# KiCad board panel.kicad_pcb (continued)
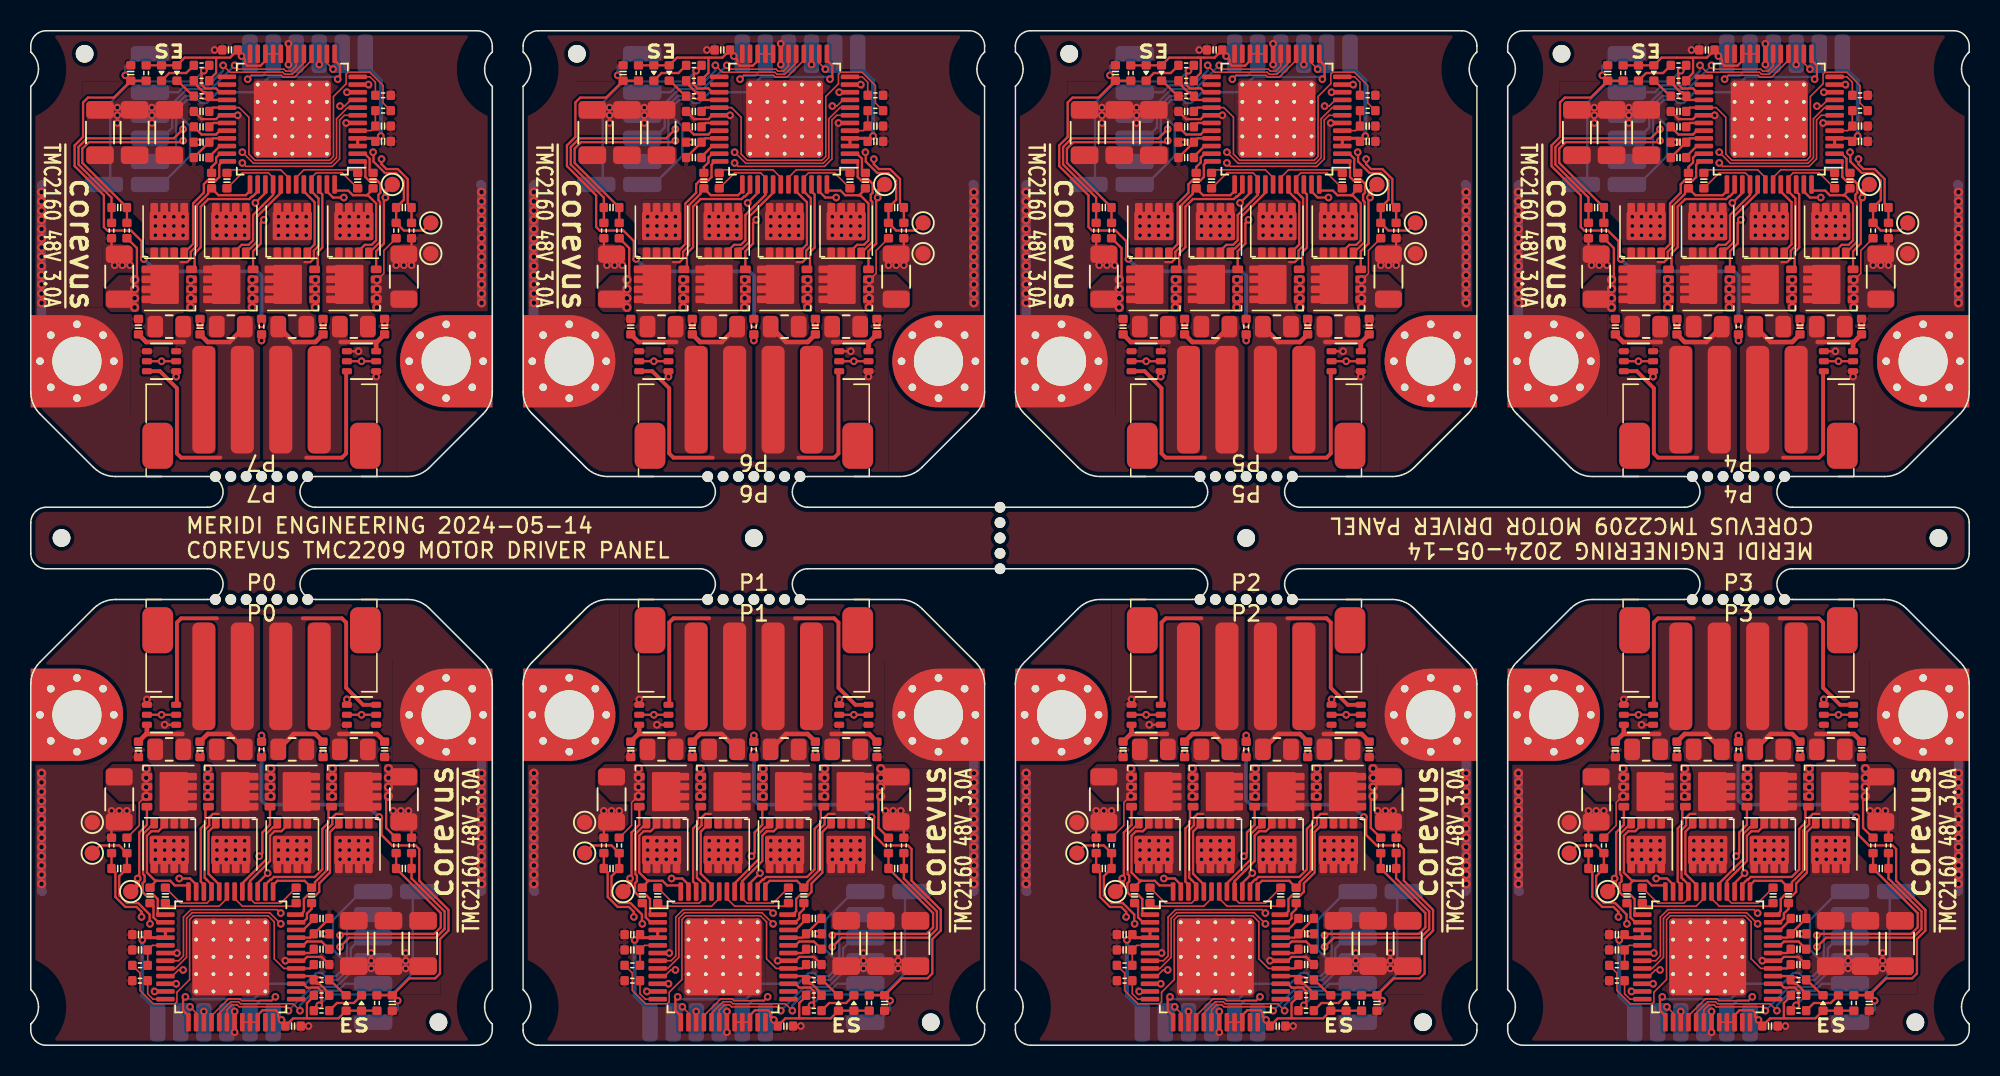
[diagram p0: board, top side]
## Routing (per net, layer and track width the routed paths; a pad name or vN(x,y) marks a point on that pad's centre or on a via; arc(x,y) is an arc through that point) (continued)
Board_4-Net-(U1-CB2): length 4.7
  Top w0.1: C9#6.1 117.05,56.95 113.75,56.95 113.25,56.45 U1#5.43
Board_4-Net-(U1-CPI): length 2.5
  Top w0.15: U1#5.32 108.29,59.5 108.04,59.25 107.1,59.25 C2#2.2
Board_4-Net-(U1-CPO): length 1.3
  Top w0.15: C2#2.1 107.85,60 U1#5.31
Board_4-Net-(U1-VCC): length 21.4
  Top w0.1: U1#5.29 109.55,61 110.18,60.38 110.18,57.97 110.57,57.58 115.43,57.58 115.68,57.82 115.68,61.73 116.5,62.55 116.5,63.17 116.63,63.3 118.03,63.3 118.9,62.43 118.9,61.3 R4#7.2
  Top w0.15: U1#5.29 107.85,61 C5#7.2
Board_4-Net-(U1-VCP): length 1.5
  Top w0.15: U1#5.34 108.29,58.5 107.6,57.81 C1#5.1
Board_4-VCC: length 12.7
  Top w0.1: U1#5.20 U1#5.21 U1#5.22
  Top w0.15: R20#6.2 D2.2 D1#6.2 106,64.25 108.95,64.25 C3#2.2 109.45,64.6 v1(109.7,64.35) 109.93,64.12 109.93,63.87 110.07,63.72 110.93,63.73 111.25,64.04 U1#5.22 ; 108.05,64.25 108.05,63.26 107.6,62.81 R2#5.1
  Bottom w0.15: v1(109.7,64.35) 110.1,64.35 T8#6.1
Board_5-+12V: length 8
  Top w0.2: U1#7.3 U1#7.4 86.2,59 C6#7.1 v1(86.75,59.15)
  Bottom w0.25: T3.1 85.75,63.75 86.75,62.75 v1(86.75,59.15)
Board_5-+48V: length 6.5
  Top w0.15: D3#6.2 v1(85.5,44.5) D3#6.5 ; U1#7.33 75.85,59 C7#3.1 C1#6.2 ; D4#5.2 v1(72.5,44.5) D4#5.5
  vias: v1(72.1,53.9) v1(72.1,53.3) v1(72.1,52.7) v1(72.7,53.9) v1(72.7,53.3) v1(72.7,52.7) v1(73.3,53.9) v1(73.3,53.3) v1(73.3,52.7) v1(73.9,53.9) v1(73.9,53.3) v1(73.9,52.7) v1(76.1,53.9) v1(76.1,53.3) v1(76.1,52.7) v1(76.7,53.9) v1(76.7,53.3) v1(76.7,52.7) v1(77.3,53.9) v1(77.3,53.3) v1(77.3,52.7) v1(77.9,53.9) v1(77.9,53.3) v1(77.9,52.7) v1(80.1,53.9) v1(80.1,53.3) v1(80.1,52.7) v1(80.7,53.9) v1(80.7,53.3) v1(80.7,52.7) v1(81.3,53.9) v1(81.3,53.3) v1(81.3,52.7) v1(81.9,53.9) v1(81.9,53.3) v1(81.9,52.7) v1(84.1,53.9) v1(84.1,53.3) v1(84.1,52.7) v1(84.7,53.9) v1(84.7,53.3) v1(84.7,52.7) v1(85.3,53.9) v1(85.3,53.3) v1(85.3,52.7) v1(85.9,53.9) v1(85.9,53.3) v1(85.9,52.7)
Board_5-/A1: length 9.7
  Top w0.1: C10#4.2 77.75,56.75 79.45,56.75 79.75,56.45 U1#7.40
  Top w0.15: Q5#3.3 77.32,51.69 77.71,52.07 78.16,52.08 78.45,52.36 78.45,54.01 79.05,54.61 79.05,54.62 79.75,55.32 U1#7.40
Board_5-/A1': length 13.1
  Top w0.25: 76.32,38.23 73.78,38.23 73.5,38.5 73.5,42.74 72.95,43.29 72.95,43.3 72.4,43.85 D4#5.6
  Top w0.3: C17#6.2 75.5,45.75 76.91,45.75 FB2#5.1
Board_5-/A2: length 9.1
  Top w0.15: U1#7.37 78.25,55.58 77.97,55.3 76.2,55.3 C11#8.2 75.53,55.52 75.53,55.39 74.8,54.66 74.8,52.02 74.4,51.62 74.4,51.18 74.17,50.95 73.75,50.95
Board_5-/A2': length 3.2
  Top w0.3: C16#5.2 71.5,45.75 73.95,45.75
Board_5-/B1: length 7.7
  Top w0.15: 85.8,55.3 85.85,55.3 86.25,55.7 C8#7.2 ; 85.8,55.3 85.91,55.3 86.45,54.76 86.45,52.36 86.16,52.07 85.71,52.08 85.32,51.69 Q1#5.3 ; 85.8,55.3 84.94,55.3 84.64,55.6 83.75,55.6
Board_5-/B1': length 3.7
  Top w0.3: 84.15,45.75 86.5,45.75 C19#5.2 ; D3#6.3 86.45,45.75
Board_5-/B2: length 9.8
  Top w0.1: U1#7.45 82.25,56.45 82.55,56.75 84.25,56.75 C9#5.2
  Top w0.15: U1#7.45 82.25,55.55 82.57,55.23 82.57,55.23 82.7,55.1 82.7,52 82.4,51.7 82.4,51.19 82.16,50.95 81.8,50.95
Board_5-/B2': length 11.6
  Top w0.25: 81.9,38.23 84.23,38.23 84.5,38.5 84.5,43.8 D3#6.6
  Top w0.3: FB3#7.1 81.09,45.75 82.5,45.75 C18#6.2
Board_5-/Clk: length 2.1
  Top w0.1: R3#8.1 86.4,62.65 86.05,63 U1#7.12
Board_5-/Diag1: length 15.8
  Top w0.15: R16.2 v1(75.25,63.4) 75.1,63.25 75.1,62.48 75.33,62.25 76.04,62.25 76.29,62 U1#7.27
  Bottom w0.15: v1(75.25,63.4) 74.55,62.7 70.55,62.7 69.18,61.33 69.18,56.42 T17#5.1
Board_5-/Dir: length 13.5
  Top w0.1: v1(77.25,63.75) 77.5,63.5 80.45,63.5 80.57,63.38 80.93,63.38 81.25,63.7 U1#7.18
  Bottom w0.15: v1(77.25,63.75) 75.7,62.2 74.14,62.2 73.2,61.26 73.2,59.7 72.5,59 T13#5.1
Board_5-/HA1: length 5.2
  Top w0.15: 78.06,51.83 78.26,51.83 78.7,52.26 78.7,53.91 79.3,54.51 79.3,54.51 80.25,55.46 U1#7.41
Board_5-/HA2: length 7.6
  Top w0.15: U1#7.36 76.47,57.5 76.25,57.28 76.25,56.48 76.02,56.25 75.48,56.25 75.25,56.02 75.25,55.47 74.55,54.77 74.55,52.12 Q7#3.4
Board_5-/HB1: length 7.1
  Top w0.15: Q1#5.4 85.99,51.55 86.7,52.26 86.7,54.87 86.6,54.97 86.6,55.34 86.72,55.46 86.72,56.04 86.51,56.25 85.99,56.25 85.75,56.49 85.75,57.5
Board_5-/HB2: length 4.8
  Top w0.15: U1#7.44 81.75,55.55 82.45,54.85 82.45,52.1 82,51.65
Board_5-/LA1: length 6.3
  Top w0.15: v1(79.15,53.7) 78.95,53.5 78.95,52.16 78.45,51.66 Q6#5.4 ; v1(78.6,54.8) 79.25,55.45 U1#7.39
  In2.Cu w0.15: v1(78.6,54.8) 78.6,54.25 v1(79.15,53.7)
Board_5-/LA2: length 8.9
  Top w0.15: U1#7.38 78.75,55.55 78.57,55.37 78.57,55.37 78.43,55.23 78.38,55.23 78.2,55.05 75.54,55.05 75.05,54.56 75.05,51.92 74.65,51.52 74.65,50.67 Q8#7.4
Board_5-/LB1: length 10.5
  Top w0.15: v1(87.05,55.15) 86.95,55.05 86.95,52.16 86.45,51.66 Q2.4 ; v1(84.35,55.15) 83.65,55.15 83.25,55.55 U1#7.47
  Top w0.3: TP3#5.1 87.05,55.55 v1(87.05,55.15)
  In2.Cu w0.15: 87.05,55.3 v1(87.05,55.15) v1(84.35,55.15)
Board_5-/LB2: length 5.8
  Top w0.15: U1#7.46 82.75,55.55 82.95,55.35 82.95,51.89 82.65,51.59 82.65,50.67 Q4#2.4
Board_5-/SCK: length 2.3
  Top w0.1: U1#7.14 83.25,63.9 v1(83.65,63.5)
  Bottom w0.5: 84.2,63.5 v1(83.65,63.5) 84.05,63.9
Board_5-/SDI: length 0.7
  Top w0.15: U1#7.15 v1(82.75,63.8)
Board_5-/SDO: length 8
  Top w0.1: U1#7.16 82.25,64.08 81.15,62.98 80.41,62.98 80.28,63.1 78.35,63.1 v1(78.1,62.85)
  Bottom w0.15: v1(78.1,62.85) 78.32,63.08 79.07,63.08 79.75,63.75 T7#6.1
Board_5-/SRAH: length 27.9
  Top w0.1: U1#7.8 84.6,61 83.88,60.27 83.88,57.74 83.51,57.38 78.47,57.38 v1(77.75,58.1)
  Top w0.15: v1(73.9,58.85) 73.8,58.75 67.77,58.75 67.35,58.33 67.35,57.4 C21#4.2 R11#6.2
  In2.Cu w0.15: v1(77.75,58.1) 74.37,58.1 73.9,58.57 v1(73.9,58.85)
Board_5-/SRAL: length 29.5
  Top w0.1: U1#7.7 84.38,60.5 84.07,60.19 84.07,57.66 83.59,57.17 77.97,57.17 v1(77.75,57.4)
  Top w0.15: R12#3.2 C21#4.1 69.25,55.15 67.1,57.3 67.1,58.44 67.66,59 73.3,59 v1(73.9,59.6)
  In2.Cu w0.15: v1(73.9,59.6) 73.45,59.15 73.45,58.66 74.26,57.85 77.3,57.85 v1(77.75,57.4)
Board_5-/SRBH: length 14.4
  Top w0.1: v1(84.1,61.1) 84.4,61.1 84.8,61.5 U1#7.9
  Top w0.15: TP4.1 89.5,53 88.25,53 R8#3.2 C20#8.2 88.25,55 88.25,56.25 87.75,56.75 87.02,56.75 86.27,57.49 86.28,58.08 v1(86.25,58.1)
  In2.Cu w0.1: v1(84.1,61.1) 84.87,61.1 84.95,61.02 84.95,59.72 86.25,58.42 v1(86.25,58.1)
Board_5-/SRBL: length 11.4
  Top w0.1: v1(84.55,62) U1#7.10
  Top w0.15: R9#5.2 C20#8.1 88.5,54.75 88.5,56.35 87.85,57 87.12,57 86.8,57.32 v1(86.8,57.65)
  In2.Cu w0.1: v1(86.8,57.65) 86.8,58.15 85.15,59.8 85.15,61.1 84.55,61.7 v1(84.55,62)
Board_5-/Step: length 12.1
  Top w0.1: v1(76.5,63.75) 76.95,63.3 80.37,63.3 80.49,63.18 81.01,63.17 81.75,63.92 U1#7.17
  Bottom w0.15: v1(76.5,63.75) 76.5,63.4 75.55,62.45 74.03,62.45 73.58,62 T11.1
Board_5-/THERM: length 32.5
  Top w0.15: C13#7.1 69.4,61.65 67.72,61.65 67.4,61.33 67.4,59.09 66.85,58.54 66.85,57.19 68.75,55.29 68.75,53.23 68.98,53 70.52,53 71.2,52.32 71.2,51.3 v1(71.35,51.15) ; C13#7.1 R20#3.1 ; C13#7.1 v1(70.15,63.1)
  Top w0.25: TH1#3.1 v1(79,46.9)
  Bottom w0.15: v1(70.15,63.1) 70.15,63.65 71,64.5 T9#3.1
  Bottom w0.25: v1(79,46.9) 79,50.05 78.7,50.35 72.15,50.35 v1(71.35,51.15)
Board_5-/~{CS}: length 19.8
  Top w0.15: v1(83.95,62.85) 84.1,63 84.1,63.74 83.84,64 83.75,64
  Bottom w0.15: v1(83.95,62.85) 83.8,63 79.49,63 79.25,62.76 79.25,62.36 78.89,62 76.14,62 75.44,61.3 75.06,61.3 74.86,61.5 74.14,61.5 73.7,61.06 73.7,60.44 74.35,59.79 74.35,57.85 72.5,56 T10#6.1
Board_5-/~{En}: length 10.3
  Top w0.15: U1#7.28 75.5,61.5 v1(75.25,61.75) R1#7.2 75.35,62 75.23,62 74.8,62.43 74.8,62.55 R2#2.2
  Bottom w0.15: T14#4.1 72.55,57.5 73.45,58.4 73.45,61.16 74.04,61.75 v1(75.25,61.75)
Board_5-GND: length 30.1
  Top w0.1: U1#7.6 v1(84.5,60) ; C7#3.2 v1(74.95,58.75)
  Top w0.15: 74.62,60.75 C5#6.1 75.1,60.25 76.04,60.25 76.29,60.5 U1#7.30 v1(77.45,60.5) ; 70.25,51.96 R13.2 69.25,51.96 69.25,52.48 ; D4#5.1 v1(73.45,43.5) ; C3.1 v1(75.95,64.75) ; R10#5.2 88.75,51.96 R9#5.1 ; D3#6.4 v1(85.3,45.15) ; U1#7.19 v1(80.75,63.8) ; D3#6.1 v1(86.45,43.5)
  Top w0.2: U1#7.11 v1(85.95,62.5)
  Top w0.25: TH1#3.2 v1(79,45.85)
  Top w0.3: C18#6.1 v1(83,46.9) ; C19#5.1 v1(87,46.9) ; C17#6.1 v1(75,46.9)
  Bottom w0.6: H2#7.1 64.7,46.8 v2(64.7,48.3) v2(64.7,54.9) v2(64.7,55.5) 64.7,55.95 64.75,56 ; v2(93.3,48.3) v2(93.3,54.9) v2(93.3,55.5) 93.3,55.95 93.25,56
  vias: v1(69.45,50.75) v1(69.62,61) v1(69.62,60.5) v1(69.62,60) v1(69.95,50.75) v1(70.45,50.75) v1(71.88,61) v1(71.88,60.5) v1(71.88,60) v1(80.75,65.15) v1(87.75,50.75) v1(88.25,50.75) v1(88.75,50.75) v2(64.7,54.3) v2(64.7,53.7) v2(64.7,53.1) v2(64.7,52.5) v2(64.7,51.9) v2(64.7,51.3) v2(64.7,50.7) v2(64.7,50.1) v2(64.7,49.5) v2(64.7,48.9) v2(93.3,54.3) v2(93.3,53.7) v2(93.3,53.1) v2(93.3,52.5) v2(93.3,51.9) v2(93.3,51.3) v2(93.3,50.7) v2(93.3,50.1) v2(93.3,49.5) v2(93.3,48.9)
Board_5-Net-(D1-K): length 1.5
  Top w0.15: R1#7.1 74.55,61.75 73.55,62.75
Board_5-Net-(D2-K): length 2.5
  Top w0.15: D2#6.1 73,63.25 74.1,63.25 R16.1
Board_5-Net-(Q2-S-Pad1): length 3.3
  Top w0.1: Q2.3 86.56,49.83 86.95,50.22 86.95,51.7 R8#3.1
  vias: v2(82.5,49.8) v2(82.5,49.2) v2(82.5,48.6) v2(82.5,48) v2(86.5,49.8) v2(86.5,49.2) v2(86.5,48.6) v2(86.5,48)
Board_5-Net-(Q6-S-Pad1): length 3
  Top w0.15: v2(70.75,49.8) 70.9,49.95 70.9,51.86 70.26,52.5
  vias: v2(70.75,49.2) v2(70.75,48.6) v2(70.75,48) v2(74.4,49.8) v2(74.4,49.2) v2(74.4,48.6) v2(74.4,48) v2(78.4,49.8) v2(78.4,49.2) v2(78.4,48.6) v2(78.4,48)
Board_5-Net-(U1-5VOUT): length 2.3
  Top w0.1: R4#4.1 C4#3.2 86.1,59.5 U1#7.5
Board_5-Net-(U1-CA1): length 4.7
  Top w0.1: U1#7.42 80.75,56.45 80.25,56.95 76.95,56.95 C10#4.1
Board_5-Net-(U1-CA2): length 1.9
  Top w0.15: C11#8.1 75.75,57.13 76.05,57.43 76.05,57.75 76.3,58 U1#7.35
Board_5-Net-(U1-CB1): length 1.9
  Top w0.15: C8#7.1 86.03,56.98 86.03,57.68 85.7,58 U1#7.2
Board_5-Net-(U1-CB2): length 4.7
  Top w0.1: U1#7.43 81.25,56.45 81.75,56.95 85.05,56.95 C9#5.1
Board_5-Net-(U1-CPI): length 2.5
  Top w0.15: U1#7.32 76.29,59.5 76.04,59.25 75.1,59.25 C2#3.2
Board_5-Net-(U1-CPO): length 1.3
  Top w0.15: C2#3.1 75.85,60 U1#7.31
Board_5-Net-(U1-VCC): length 21.4
  Top w0.1: U1#7.29 77.55,61 78.18,60.38 78.18,57.97 78.57,57.58 83.43,57.58 83.68,57.82 83.68,61.73 84.5,62.55 84.5,63.17 84.63,63.3 86.03,63.3 86.9,62.43 86.9,61.3 R4#4.2
  Top w0.15: C5#6.2 75.85,61 U1#7.29
Board_5-Net-(U1-VCP): length 1.5
  Top w0.15: C1#6.1 75.6,57.81 76.29,58.5 U1#7.34
Board_5-VCC: length 12.7
  Top w0.1: U1#7.22 U1#7.21 U1#7.20
  Top w0.15: 76.05,64.25 76.05,63.26 75.6,62.81 R2#2.1 ; R20#3.2 D2#6.2 D1#7.2 74,64.25 76.95,64.25 C3.2 77.45,64.6 v1(77.7,64.35) 77.93,64.12 77.93,63.87 78.07,63.72 78.93,63.73 79.25,64.04 U1#7.22
  Bottom w0.15: T8.1 78.1,64.35 v1(77.7,64.35)
Board_6-+12V: length 8
  Top w0.2: U1#6.3 U1#6.4 54.2,59 C6#2.1 v1(54.75,59.15)
  Bottom w0.25: T3#2.1 53.75,63.75 54.75,62.75 v1(54.75,59.15)
Board_6-+48V: length 6.5
  Top w0.15: C1#3.2 C7#2.1 43.85,59 U1#6.33 ; D3.2 v1(53.5,44.5) D3.5 ; D4#2.2 v1(40.5,44.5) D4#2.5
  vias: v1(40.1,53.9) v1(40.1,53.3) v1(40.1,52.7) v1(40.7,53.9) v1(40.7,53.3) v1(40.7,52.7) v1(41.3,53.9) v1(41.3,53.3) v1(41.3,52.7) v1(41.9,53.9) v1(41.9,53.3) v1(41.9,52.7) v1(44.1,53.9) v1(44.1,53.3) v1(44.1,52.7) v1(44.7,53.9) v1(44.7,53.3) v1(44.7,52.7) v1(45.3,53.9) v1(45.3,53.3) v1(45.3,52.7) v1(45.9,53.9) v1(45.9,53.3) v1(45.9,52.7) v1(48.1,53.9) v1(48.1,53.3) v1(48.1,52.7) v1(48.7,53.9) v1(48.7,53.3) v1(48.7,52.7) v1(49.3,53.9) v1(49.3,53.3) v1(49.3,52.7) v1(49.9,53.9) v1(49.9,53.3) v1(49.9,52.7) v1(52.1,53.9) v1(52.1,53.3) v1(52.1,52.7) v1(52.7,53.9) v1(52.7,53.3) v1(52.7,52.7) v1(53.3,53.9) v1(53.3,53.3) v1(53.3,52.7) v1(53.9,53.9) v1(53.9,53.3) v1(53.9,52.7)
Board_6-/A1: length 9.7
  Top w0.1: C10#6.2 45.75,56.75 47.45,56.75 47.75,56.45 U1#6.40
  Top w0.15: Q5.3 45.32,51.69 45.71,52.07 46.16,52.08 46.45,52.36 46.45,54.01 47.05,54.61 47.05,54.62 47.75,55.32 U1#6.40
Board_6-/A1': length 13.1
  Top w0.25: D4#2.6 40.4,43.85 40.95,43.3 40.95,43.29 41.5,42.74 41.5,38.5 41.78,38.23 44.32,38.23
  Top w0.3: FB2#2.1 44.91,45.75 43.5,45.75 C17#3.2
Board_6-/A2: length 9.1
  Top w0.15: 41.75,50.95 42.17,50.95 42.4,51.18 42.4,51.62 42.8,52.02 42.8,54.66 43.53,55.39 43.53,55.52 C11#6.2 44.2,55.3 45.97,55.3 46.25,55.58 U1#6.37
Board_6-/A2': length 3.2
  Top w0.3: 41.95,45.75 39.5,45.75 C16#3.2
Board_6-/B1: length 7.7
  Top w0.15: 53.8,55.3 52.94,55.3 52.64,55.6 51.75,55.6 ; 53.8,55.3 53.91,55.3 54.45,54.76 54.45,52.36 54.16,52.07 53.71,52.08 53.32,51.69 Q1#2.3 ; 53.8,55.3 53.85,55.3 54.25,55.7 C8#4.2
Board_6-/B1': length 3.7
  Top w0.3: 52.15,45.75 54.5,45.75 C19#4.2 ; D3.3 54.45,45.75
Board_6-/B2: length 9.8
  Top w0.1: U1#6.45 50.25,56.45 50.55,56.75 52.25,56.75 C9#2.2
  Top w0.15: U1#6.45 50.25,55.55 50.57,55.23 50.57,55.23 50.7,55.1 50.7,52 50.4,51.7 50.4,51.19 50.16,50.95 49.8,50.95
Board_6-/B2': length 11.6
  Top w0.25: 49.9,38.23 52.23,38.23 52.5,38.5 52.5,43.8 D3.6
  Top w0.3: FB3#5.1 49.09,45.75 50.5,45.75 C18#5.2
Board_6-/Clk: length 2.1
  Top w0.1: U1#6.12 54.05,63 54.4,62.65 R3#4.1
Board_6-/Diag1: length 15.8
  Top w0.15: U1#6.27 44.29,62 44.04,62.25 43.33,62.25 43.1,62.48 43.1,63.25 v1(43.25,63.4) R16#8.2
  Bottom w0.15: v1(43.25,63.4) 42.55,62.7 38.55,62.7 37.17,61.33 37.17,56.42 T17#4.1
Board_6-/Dir: length 13.5
  Top w0.1: U1#6.18 49.25,63.7 48.93,63.38 48.57,63.38 48.45,63.5 45.5,63.5 v1(45.25,63.75)
  Bottom w0.15: v1(45.25,63.75) 43.7,62.2 42.14,62.2 41.2,61.26 41.2,59.7 40.5,59 T13#3.1
Board_6-/HA1: length 5.2
  Top w0.15: U1#6.41 48.25,55.46 47.3,54.51 47.3,54.51 46.7,53.91 46.7,52.26 46.26,51.83 46.06,51.83
Board_6-/HA2: length 7.6
  Top w0.15: Q7#7.4 42.55,52.12 42.55,54.77 43.25,55.47 43.25,56.02 43.48,56.25 44.02,56.25 44.25,56.48 44.25,57.28 44.47,57.5 U1#6.36
Board_6-/HB1: length 7.1
  Top w0.15: 53.75,57.5 53.75,56.49 53.99,56.25 54.51,56.25 54.72,56.04 54.72,55.46 54.6,55.34 54.6,54.97 54.7,54.87 54.7,52.26 53.99,51.55 Q1#2.4
Board_6-/HB2: length 4.8
  Top w0.15: U1#6.44 49.75,55.55 50.45,54.85 50.45,52.1 50,51.65
Board_6-/LA1: length 6.3
  Top w0.15: Q6.4 46.45,51.66 46.95,52.16 46.95,53.5 v1(47.15,53.7) ; v1(46.6,54.8) 47.25,55.45 U1#6.39
  In2.Cu w0.15: v1(47.15,53.7) 46.6,54.25 v1(46.6,54.8)
Board_6-/LA2: length 8.9
  Top w0.15: Q8#5.4 42.65,50.67 42.65,51.52 43.05,51.92 43.05,54.56 43.54,55.05 46.2,55.05 46.38,55.23 46.43,55.23 46.57,55.37 46.57,55.37 46.75,55.55 U1#6.38
Board_6-/LB1: length 10.5
  Top w0.15: v1(55.05,55.15) 54.95,55.05 54.95,52.16 54.45,51.66 Q2#5.4 ; U1#6.47 51.25,55.55 51.65,55.15 v1(52.35,55.15)
  Top w0.3: TP3.1 55.05,55.55 v1(55.05,55.15)
  In2.Cu w0.15: 55.05,55.3 v1(55.05,55.15) v1(52.35,55.15)
Board_6-/LB2: length 5.8
  Top w0.15: Q4#7.4 50.65,50.67 50.65,51.59 50.95,51.89 50.95,55.35 50.75,55.55 U1#6.46
Board_6-/SCK: length 2.3
  Top w0.1: v1(51.65,63.5) 51.25,63.9 U1#6.14
  Bottom w0.5: 52.05,63.9 v1(51.65,63.5) 52.2,63.5
Board_6-/SDI: length 0.7
  Top w0.15: U1#6.15 v1(50.75,63.8)
Board_6-/SDO: length 8
  Top w0.1: U1#6.16 50.25,64.08 49.15,62.98 48.41,62.98 48.28,63.1 46.35,63.1 v1(46.1,62.85)
  Bottom w0.15: T7#7.1 47.75,63.75 47.07,63.08 46.32,63.08 v1(46.1,62.85)
Board_6-/SRAH: length 27.9
  Top w0.1: v1(45.75,58.1) 46.47,57.38 51.51,57.38 51.88,57.74 51.88,60.27 52.6,61 U1#6.8
  Top w0.15: v1(41.9,58.85) 41.8,58.75 35.77,58.75 35.35,58.33 35.35,57.4 C21#5.2 R11.2
  In2.Cu w0.15: v1(45.75,58.1) 42.37,58.1 41.9,58.57 v1(41.9,58.85)
Board_6-/SRAL: length 29.5
  Top w0.1: U1#6.7 52.38,60.5 52.07,60.19 52.07,57.66 51.59,57.17 45.97,57.17 v1(45.75,57.4)
  Top w0.15: R12#4.2 C21#5.1 37.25,55.15 35.1,57.3 35.1,58.44 35.66,59 41.3,59 v1(41.9,59.6)
  In2.Cu w0.15: v1(41.9,59.6) 41.45,59.15 41.45,58.66 42.26,57.85 45.3,57.85 v1(45.75,57.4)
Board_6-/SRBH: length 14.4
  Top w0.1: v1(52.1,61.1) 52.4,61.1 52.8,61.5 U1#6.9
  Top w0.15: TP4#5.1 57.5,53 56.25,53 R8#2.2 C20#2.2 56.25,55 56.25,56.25 55.75,56.75 55.02,56.75 54.27,57.49 54.28,58.08 v1(54.25,58.1)
  In2.Cu w0.1: v1(52.1,61.1) 52.87,61.1 52.95,61.02 52.95,59.72 54.25,58.42 v1(54.25,58.1)
Board_6-/SRBL: length 11.4
  Top w0.1: v1(52.55,62) U1#6.10
  Top w0.15: R9#2.2 C20#2.1 56.5,54.75 56.5,56.35 55.85,57 55.12,57 54.8,57.32 v1(54.8,57.65)
  In2.Cu w0.1: v1(54.8,57.65) 54.8,58.15 53.15,59.8 53.15,61.1 52.55,61.7 v1(52.55,62)
Board_6-/Step: length 12.1
  Top w0.1: v1(44.5,63.75) 44.95,63.3 48.37,63.3 48.49,63.18 49.01,63.17 49.75,63.92 U1#6.17
  Bottom w0.15: T11#3.1 41.58,62 42.03,62.45 43.55,62.45 44.5,63.4 v1(44.5,63.75)
Board_6-/THERM: length 32.5
  Top w0.15: C13#8.1 R20.1 ; C13#8.1 37.4,61.65 35.72,61.65 35.4,61.33 35.4,59.09 34.85,58.54 34.85,57.19 36.75,55.29 36.75,53.23 36.98,53 38.52,53 39.2,52.32 39.2,51.3 v1(39.35,51.15) ; C13#8.1 v1(38.15,63.1)
  Top w0.25: TH1#5.1 v1(47,46.9)
  Bottom w0.15: v1(38.15,63.1) 38.15,63.65 39,64.5 T9#5.1
  Bottom w0.25: v1(39.35,51.15) 40.15,50.35 46.7,50.35 47,50.05 v1(47,46.9)
Board_6-/~{CS}: length 19.8
  Top w0.15: v1(51.95,62.85) 52.1,63 52.1,63.74 51.84,64 51.75,64
  Bottom w0.15: T10#5.1 40.5,56 42.35,57.85 42.35,59.79 41.7,60.44 41.7,61.06 42.14,61.5 42.86,61.5 43.06,61.3 43.44,61.3 44.14,62 46.89,62 47.25,62.36 47.25,62.76 47.49,63 51.8,63 v1(51.95,62.85)
Board_6-/~{En}: length 10.3
  Top w0.15: R2#7.2 42.8,62.55 42.8,62.43 43.23,62 43.35,62 R1#3.2 v1(43.25,61.75) 43.5,61.5 U1#6.28
  Bottom w0.15: v1(43.25,61.75) 42.04,61.75 41.45,61.16 41.45,58.4 40.55,57.5 T14#6.1
Board_6-GND: length 30.1
  Top w0.1: U1#6.6 v1(52.5,60) ; C7#2.2 v1(42.95,58.75)
  Top w0.15: R9#2.1 56.75,51.96 R10#8.2 ; D4#2.1 v1(41.45,43.5) ; D3.1 v1(54.45,43.5) ; 37.25,52.48 37.25,51.96 R13#4.2 38.25,51.96 ; D3.4 v1(53.3,45.15) ; v1(45.45,60.5) U1#6.30 44.29,60.5 44.04,60.25 43.1,60.25 C5#5.1 42.62,60.75 ; C3#3.1 v1(43.95,64.75) ; U1#6.19 v1(48.75,63.8)
  Top w0.2: U1#6.11 v1(53.95,62.5)
  Top w0.25: TH1#5.2 v1(47,45.85)
  Top w0.3: C18#5.1 v1(51,46.9) ; C19#4.1 v1(55,46.9) ; C17#3.1 v1(43,46.9)
  Bottom w0.6: H2#5.1 32.7,46.8 v2(32.7,48.3) v2(32.7,54.9) v2(32.7,55.5) 32.7,55.95 32.75,56 ; v2(61.3,48.3) v2(61.3,54.9) v2(61.3,55.5) 61.3,55.95 61.25,56
  vias: v1(37.45,50.75) v1(37.62,61) v1(37.62,60.5) v1(37.62,60) v1(37.95,50.75) v1(38.45,50.75) v1(39.88,61) v1(39.88,60.5) v1(39.88,60) v1(48.75,65.15) v1(55.75,50.75) v1(56.25,50.75) v1(56.75,50.75) v2(32.7,54.3) v2(32.7,53.7) v2(32.7,53.1) v2(32.7,52.5) v2(32.7,51.9) v2(32.7,51.3) v2(32.7,50.7) v2(32.7,50.1) v2(32.7,49.5) v2(32.7,48.9) v2(61.3,54.3) v2(61.3,53.7) v2(61.3,53.1) v2(61.3,52.5) v2(61.3,51.9) v2(61.3,51.3) v2(61.3,50.7) v2(61.3,50.1) v2(61.3,49.5) v2(61.3,48.9)
Board_6-Net-(D1-K): length 1.5
  Top w0.15: 41.55,62.75 42.55,61.75 R1#3.1
Board_6-Net-(D2-K): length 2.5
  Top w0.15: D2#7.1 41,63.25 42.1,63.25 R16#8.1
Board_6-Net-(Q2-S-Pad1): length 3.3
  Top w0.1: Q2#5.3 54.56,49.83 54.95,50.22 54.95,51.7 R8#2.1
  vias: v2(50.5,49.8) v2(50.5,49.2) v2(50.5,48.6) v2(50.5,48) v2(54.5,49.8) v2(54.5,49.2) v2(54.5,48.6) v2(54.5,48)
Board_6-Net-(Q6-S-Pad1): length 3
  Top w0.15: 38.26,52.5 38.9,51.86 38.9,49.95 v2(38.75,49.8)
  vias: v2(38.75,49.2) v2(38.75,48.6) v2(38.75,48) v2(42.4,49.8) v2(42.4,49.2) v2(42.4,48.6) v2(42.4,48) v2(46.4,49.8) v2(46.4,49.2) v2(46.4,48.6) v2(46.4,48)
Board_6-Net-(U1-5VOUT): length 2.3
  Top w0.1: R4.1 C4#7.2 54.1,59.5 U1#6.5
Board_6-Net-(U1-CA1): length 4.7
  Top w0.1: U1#6.42 48.75,56.45 48.25,56.95 44.95,56.95 C10#6.1
Board_6-Net-(U1-CA2): length 1.9
  Top w0.15: U1#6.35 44.3,58 44.05,57.75 44.05,57.43 43.75,57.13 C11#6.1
Board_6-Net-(U1-CB1): length 1.9
  Top w0.15: U1#6.2 53.7,58 54.03,57.68 54.03,56.98 C8#4.1
Board_6-Net-(U1-CB2): length 4.7
  Top w0.1: C9#2.1 53.05,56.95 49.75,56.95 49.25,56.45 U1#6.43
Board_6-Net-(U1-CPI): length 2.5
  Top w0.15: U1#6.32 44.29,59.5 44.04,59.25 43.1,59.25 C2#5.2
Board_6-Net-(U1-CPO): length 1.3
  Top w0.15: C2#5.1 43.85,60 U1#6.31
Board_6-Net-(U1-VCC): length 21.4
  Top w0.1: R4.2 54.9,61.3 54.9,62.43 54.03,63.3 52.63,63.3 52.5,63.17 52.5,62.55 51.68,61.73 51.68,57.82 51.43,57.58 46.57,57.58 46.18,57.97 46.18,60.38 45.55,61 U1#6.29
  Top w0.15: C5#5.2 43.85,61 U1#6.29
Board_6-Net-(U1-VCP): length 1.5
  Top w0.15: U1#6.34 44.29,58.5 43.6,57.81 C1#3.1
Board_6-VCC: length 12.7
  Top w0.1: U1#6.22 U1#6.21 U1#6.20
  Top w0.15: U1#6.22 47.25,64.04 46.93,63.73 46.07,63.72 45.93,63.87 45.93,64.12 v1(45.7,64.35) 45.45,64.6 C3#3.2 44.95,64.25 42,64.25 D1#5.2 D2#7.2 R20.2 ; 44.05,64.25 44.05,63.26 43.6,62.81 R2#7.1
  Bottom w0.15: v1(45.7,64.35) 46.1,64.35 T8#2.1
Board_7-+12V: length 8
  Top w0.2: v1(22.75,59.15) C6#8.1 22.2,59 U1.4 U1.3
  Bottom w0.25: v1(22.75,59.15) 22.75,62.75 21.75,63.75 T3#4.1
Board_7-+48V: length 6.5
  Top w0.15: C1#2.2 C7#8.1 11.85,59 U1.33 ; D4#3.5 v1(8.5,44.5) D4#3.2 ; D3#4.2 v1(21.5,44.5) D3#4.5
  vias: v1(8.1,53.9) v1(8.1,53.3) v1(8.1,52.7) v1(8.7,53.9) v1(8.7,53.3) v1(8.7,52.7) v1(9.3,53.9) v1(9.3,53.3) v1(9.3,52.7) v1(9.9,53.9) v1(9.9,53.3) v1(9.9,52.7) v1(12.1,53.9) v1(12.1,53.3) v1(12.1,52.7) v1(12.7,53.9) v1(12.7,53.3) v1(12.7,52.7) v1(13.3,53.9) v1(13.3,53.3) v1(13.3,52.7) v1(13.9,53.9) v1(13.9,53.3) v1(13.9,52.7) v1(16.1,53.9) v1(16.1,53.3) v1(16.1,52.7) v1(16.7,53.9) v1(16.7,53.3) v1(16.7,52.7) v1(17.3,53.9) v1(17.3,53.3) v1(17.3,52.7) v1(17.9,53.9) v1(17.9,53.3) v1(17.9,52.7) v1(20.1,53.9) v1(20.1,53.3) v1(20.1,52.7) v1(20.7,53.9) v1(20.7,53.3) v1(20.7,52.7) v1(21.3,53.9) v1(21.3,53.3) v1(21.3,52.7) v1(21.9,53.9) v1(21.9,53.3) v1(21.9,52.7)
Board_7-/A1: length 9.7
  Top w0.1: U1.40 15.75,56.45 15.45,56.75 13.75,56.75 C10.2
  Top w0.15: Q5#8.3 13.33,51.69 13.71,52.07 14.16,52.08 14.45,52.36 14.45,54.01 15.05,54.61 15.05,54.62 15.75,55.32 U1.40
Board_7-/A1': length 13.1
  Top w0.25: 12.33,38.23 9.78,38.23 9.5,38.5 9.5,42.74 8.95,43.29 8.95,43.3 8.4,43.85 D4#3.6
  Top w0.3: C17.2 11.5,45.75 12.91,45.75 FB2#4.1
Board_7-/A2: length 9.1
  Top w0.15: U1.37 14.25,55.58 13.97,55.3 12.2,55.3 C11#3.2 11.53,55.52 11.53,55.39 10.8,54.66 10.8,52.02 10.4,51.62 10.4,51.18 10.17,50.95 9.75,50.95
Board_7-/A2': length 3.2
  Top w0.3: C16.2 7.5,45.75 9.95,45.75
Board_7-/B1: length 7.7
  Top w0.15: 21.8,55.3 21.85,55.3 22.25,55.7 C8.2 ; 21.8,55.3 20.94,55.3 20.64,55.6 19.75,55.6 ; 21.8,55.3 21.91,55.3 22.45,54.76 22.45,52.36 22.16,52.07 21.71,52.08 21.33,51.69 Q1.3
Board_7-/B1': length 3.7
  Top w0.3: 20.15,45.75 22.5,45.75 C19#2.2 ; D3#4.3 22.45,45.75
Board_7-/B2: length 9.8
  Top w0.1: U1.45 18.25,56.45 18.55,56.75 20.25,56.75 C9#3.2
  Top w0.15: 17.8,50.95 18.16,50.95 18.4,51.19 18.4,51.7 18.7,52 18.7,55.1 18.58,55.23 18.57,55.23 18.25,55.55 U1.45
Board_7-/B2': length 11.6
  Top w0.25: 17.9,38.23 20.23,38.23 20.5,38.5 20.5,43.8 D3#4.6
  Top w0.3: C18#3.2 18.5,45.75 17.09,45.75 FB3#2.1
Board_7-/Clk: length 2.1
  Top w0.1: U1.12 22.05,63 22.4,62.65 R3#2.1
Board_7-/Diag1: length 15.8
  Top w0.15: R16#5.2 v1(11.25,63.4) 11.1,63.25 11.1,62.48 11.33,62.25 12.04,62.25 12.29,62 U1.27
  Bottom w0.15: v1(11.25,63.4) 10.55,62.7 6.55,62.7 5.17,61.33 5.17,56.42 T17#3.1
Board_7-/Dir: length 13.5
  Top w0.1: U1.18 17.25,63.7 16.93,63.38 16.57,63.38 16.45,63.5 13.5,63.5 v1(13.25,63.75)
  Bottom w0.15: v1(13.25,63.75) 11.7,62.2 10.14,62.2 9.2,61.26 9.2,59.7 8.5,59 T13#6.1
Board_7-/HA1: length 5.2
  Top w0.15: 14.06,51.83 14.26,51.83 14.7,52.26 14.7,53.91 15.3,54.51 15.3,54.51 16.25,55.46 U1.41
Board_7-/HA2: length 7.6
  Top w0.15: Q7.4 10.55,52.12 10.55,54.77 11.25,55.47 11.25,56.02 11.48,56.25 12.02,56.25 12.25,56.48 12.25,57.28 12.47,57.5 U1.36
Board_7-/HB1: length 7.1
  Top w0.15: 21.75,57.5 21.75,56.49 21.99,56.25 22.51,56.25 22.72,56.04 22.72,55.46 22.6,55.34 22.6,54.97 22.7,54.87 22.7,52.26 21.99,51.55 Q1.4
Board_7-/HB2: length 4.8
  Top w0.15: 18,51.65 18.45,52.1 18.45,54.85 17.75,55.55 U1.44
Board_7-/LA1: length 6.3
  Top w0.15: v1(14.6,54.8) 15.25,55.45 U1.39 ; v1(15.15,53.7) 14.95,53.5 14.95,52.16 14.45,51.66 Q6#6.4
  In2.Cu w0.15: v1(14.6,54.8) 14.6,54.25 v1(15.15,53.7)
Board_7-/LA2: length 8.9
  Top w0.15: U1.38 14.75,55.55 14.58,55.37 14.58,55.37 14.43,55.23 14.38,55.23 14.2,55.05 11.54,55.05 11.05,54.56 11.05,51.92 10.65,51.52 10.65,50.67 Q8#4.4
Board_7-/LB1: length 10.5
  Top w0.15: Q2#8.4 22.45,51.66 22.95,52.16 22.95,55.05 v1(23.05,55.15) ; U1.47 19.25,55.55 19.65,55.15 v1(20.35,55.15)
  Top w0.3: v1(23.05,55.15) 23.05,55.55 TP3#8.1
  In2.Cu w0.15: v1(20.35,55.15) v1(23.05,55.15) 23.05,55.3
Board_7-/LB2: length 5.8
  Top w0.15: Q4#8.4 18.65,50.67 18.65,51.59 18.95,51.89 18.95,55.35 18.75,55.55 U1.46
Board_7-/SCK: length 2.3
  Top w0.1: U1.14 19.25,63.9 v1(19.65,63.5)
  Bottom w0.5: 20.2,63.5 v1(19.65,63.5) 20.05,63.9
Board_7-/SDI: length 0.7
  Top w0.15: U1.15 v1(18.75,63.8)
Board_7-/SDO: length 8
  Top w0.1: v1(14.1,62.85) 14.35,63.1 16.28,63.1 16.41,62.98 17.15,62.98 18.25,64.08 U1.16
  Bottom w0.15: T7.1 15.75,63.75 15.08,63.08 14.33,63.08 v1(14.1,62.85)